# Altium PCB 01156.PcbDoc (part 1 of 3) (continued)
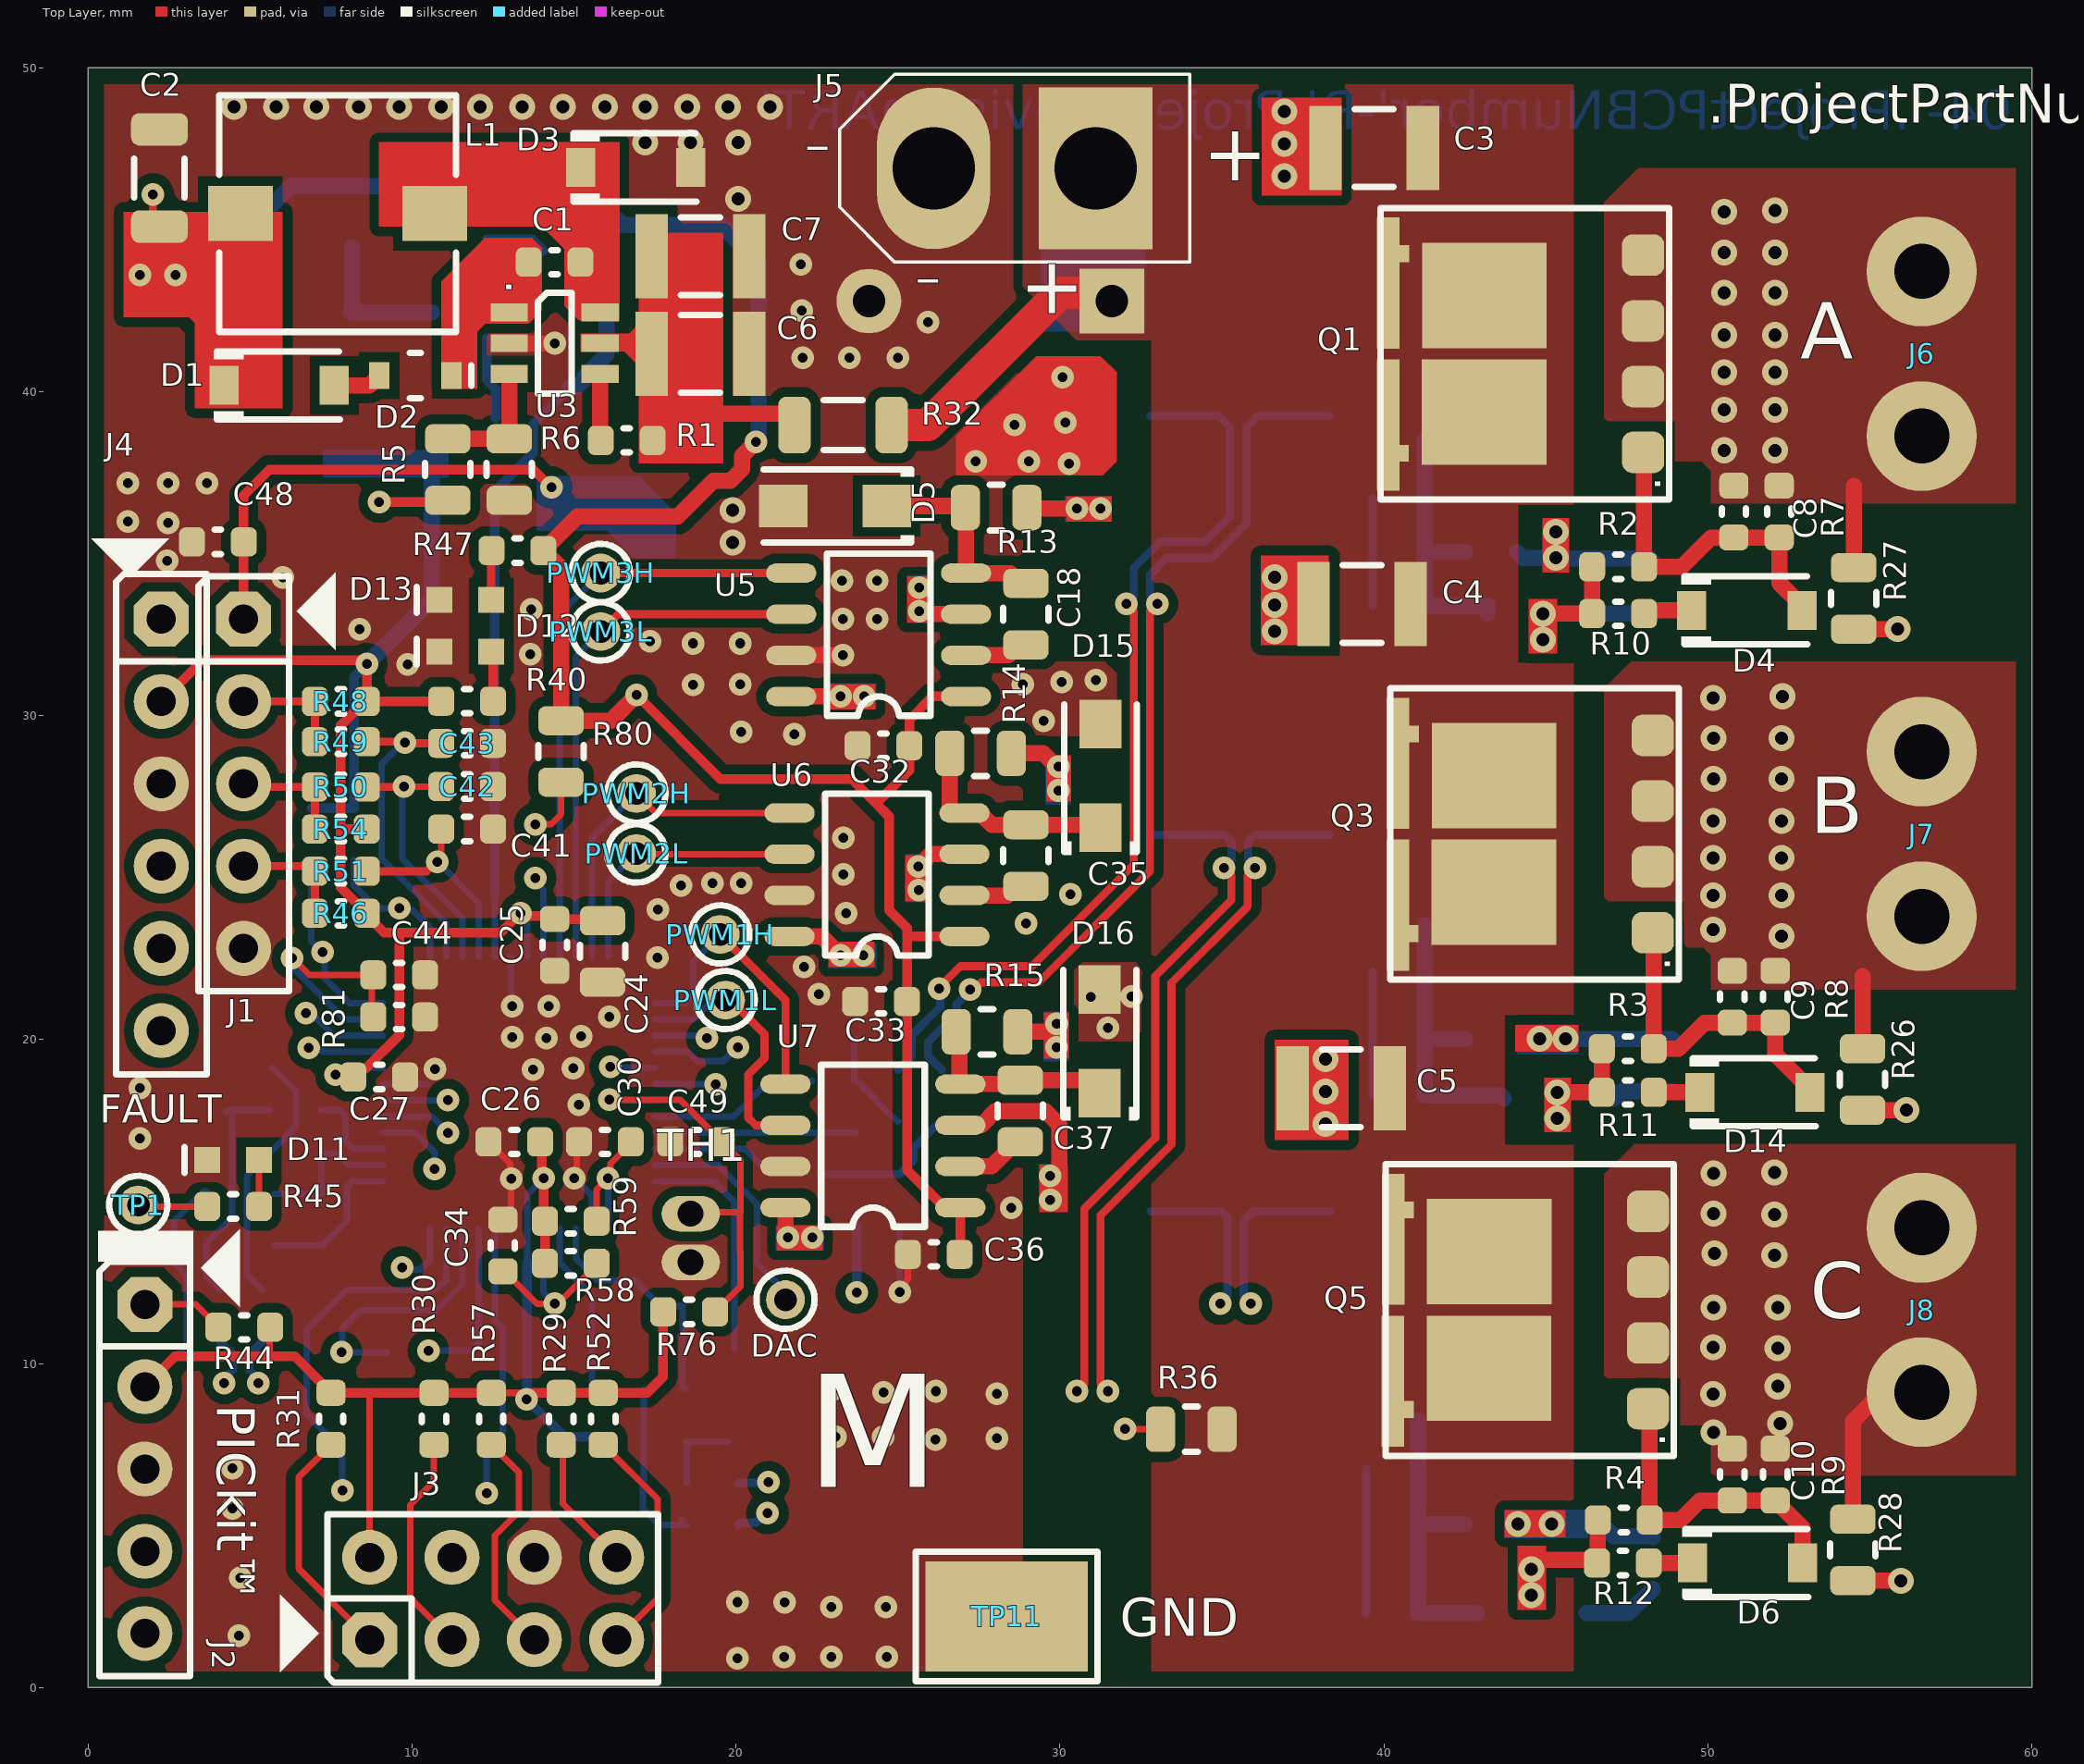
[diagram p0: Top Layer view]
## Part data (continued)
C12 C46: library part CAP1268, "Capacitor", Manufacturer 1="TDK Corporation", Manufacturer Part Number 1=C2012X7R1A475M125AC, Operating Temperature="-55C to +125C", Package=0805, Supplier Part Number 1=445-1605-1-ND, Temperature Coeffcient=X7R, Tolerance=20%, Voltage=10V, Category=Capacitor, ComponentLink1Description="SVN Datasheet", ComponentLink1URL=https://chn-vm-apps.microchip.com/mchprepo/parts/Datasheets/mlcc_commercial_general_en.pdf, ComponentLink2Description="Local Datasheet", ComponentLink2URL=C:\ALTIUM_WORK\00001_MCHP-CDB\Datasheets\mlcc_commercial_general_en.pdf, ComponentLink3Description="Open Symbol", ComponentLink3URL="C:\ALTIUM_WORK\00001_MCHP-CDB\Library\LibraryRefs\Capacitor NP.SchLib", ComponentLink4Description="Open Footprint", ComponentLink4URL=C:\ALTIUM_WORK\00001_MCHP-CDB\Library\Footprints\CAP_C_0805.PcbLib, ComponentLink5Description="Open Footprint 2", ComponentLink6Description="Open Footprint 3", ComponentLink7Description="Open Footprint 4", Description_="CAP CER 4.7uF 10V 20% X7R SMD 0805", Dev Tools Status=Production, MCHP-ID=CAP1268, Owner="Mark Loper", Populated=YES, Quantity Override=1, Revision=1, Status="MCL Design", Supplier 1=Digi-Key, Symbol="Capacitor NP", Type=Ceramic
C16 C17 C20 C22 C23 C29 C31 C38 C40: library part CAP0031, "Capacitor", Manufacturer 1="Wurth Electronics Inc", Manufacturer 2=Cal-Chip, Manufacturer 3=AVX, Manufacturer 4=KEMET, Manufacturer 5="Murata Electronics North America", Manufacturer 6=Panasonic, Manufacturer 8="NIC Components", Manufacturer Part Number 1=885012206083, Manufacturer Part Number 2=GMC10X7R102K50NTL_F, Manufacturer Part Number 3=06035C102KAT2A, Manufacturer Part Number 4=C0603C102K5RACTU, Manufacturer Part Number 5=GCM188R71H102KA37J, Manufacturer Part Number 6=ECU-V1H102KBV, Manufacturer Part Number 7=ECJ-1VB1H102K, Manufacturer Part Number 8=NMC0603X7R102K50TRPF, Operating Temperature="-55C to +125C", Package=0603, Supplier Part Number 1=732-8001-1-ND, Temperature Coeffcient=X7R, Tolerance=10%, Voltage=50V, Category=Capacitor, ComponentLink1Description="SVN Datasheet", ComponentLink1URL=https://chn-vm-apps.microchip.com/mchprepo/parts/Datasheets/KEM_C1002_X7R_SMD.pdf, ComponentLink2Description="Local Datasheet", ComponentLink2URL=C:\ALTIUM_WORK\00001_MCHP-CDB\Datasheets\KEM_C1002_X7R_SMD.pdf, ComponentLink3Description="Open Symbol", ComponentLink3URL="C:\ALTIUM_WORK\00001_MCHP-CDB\Library\LibraryRefs\Capacitor NP.SchLib", ComponentLink4Description="Open Footprint", ComponentLink4URL=C:\ALTIUM_WORK\00001_MCHP-CDB\Library\Footprints\CAP_C_0603.PcbLib, ComponentLink5Description="Open Footprint 2", ComponentLink6Description="Open Footprint 3", ComponentLink7Description="Open Footprint 4", Description_="CAP CER 1000pF 50V 10% X7R SMD 0603", Dev Tools Status=Production, Manufacturer 7=Panasonic, MCHP-ID=CAP0031, Populated=Yes, Quantity Override=1, Revision=2, Status="MCL Design", Supplier 1=Digi-Key, Supplier 2=Cal-Chip, Supplier 3=Digi-Key, Supplier 4=Digi-Key, Supplier 5=Digi-Key, Supplier 6=Digi-Key, Supplier 7=Digi-Key, Supplier 8="NIC Components", Supplier Part Number 2=GMC10X7R102K50NTL_F, Supplier Part Number 3=478-1215-1-ND, Supplier Part Number 4=399-1082-1-ND, Supplier Part Number 5=490-8019-1-ND, Supplier Part Number 6=PCC102BVTR-ND, Supplier Part Number 7=PCC1772TR-ND, Supplier Part Number 8=NMC0603X7R102K50TRPF, Symbol="Capacitor NP", Type=Ceramic
C18 C35 C37: library part CAP0135, Manufacturer 1=Panasonic, Manufacturer 2=TDK, Manufacturer Part Number 1=ECJ-2YB1E224K, Manufacturer Part Number 2=C2012X7R1E224K, Operating Temperature="-55C to +125C", Package=0805, Supplier Part Number 1=PCC1832CT-ND, Temperature Coeffcient=X7R, Tolerance=10%, Voltage=25V, Category=Capacitor, ComponentLink1Description="SVN Datasheet", ComponentLink1URL=https://chn-vm-apps.microchip.com/mchprepo/parts/Datasheets/general_B11.pdf, ComponentLink2Description="Local Datasheet", ComponentLink2URL=C:\ALTIUM_WORK\00001_MCHP-CDB\Datasheets\general_B11.pdf, ComponentLink3Description="Open Symbol", ComponentLink3URL="C:\ALTIUM_WORK\00001_MCHP-CDB\Library\LibraryRefs\Capacitor NP.SchLib", ComponentLink4Description="Open Footprint", ComponentLink4URL=C:\ALTIUM_WORK\00001_MCHP-CDB\Library\Footprints\CAP_C_0805.PcbLib, ComponentLink5Description="Open Footprint 2", ComponentLink6Description="Open Footprint 3", ComponentLink7Description="Open Footprint 4", Description_="CAP CER 0.22uF 25V 10% X7R SMD 0805", Dev Tools Status=Production, MCHP-ID=CAP0135, Populated=Yes, Quantity Override=1, Revision=1, Status="MCL Design", Supplier 1=Digi-Key, Supplier 2=Digi-Key, Supplier Part Number 2=445-1352-1-ND, Symbol="Capacitor NP", Type=Ceramic
C21 C28 C39: library part CAP0074, "Capacitor", Manufacturer 1=Cal-Chip, Manufacturer 2=Panasonic, Manufacturer 4=Yageo, Manufacturer 6="NIC Components", Manufacturer Part Number 1=GMC10CG220J50NTLF, Manufacturer Part Number 2=ECU-V1H220JCV, Manufacturer Part Number 3=ECJ-1VC1H220J, Manufacturer Part Number 4=CC0603JRNP09BN220, Manufacturer Part Number 5=0603CG220J9B200, Manufacturer Part Number 6=NMC0603NPO220J50TRPF, Operating Temperature="-55C to +125C", Package=0603, Temperature Coeffcient=NP0, Tolerance=5%, Voltage=50V, Category=Capacitor, ComponentLink1Description="SVN Datasheet", ComponentLink1URL=https://chn-vm-apps.microchip.com/mchprepo/parts/Datasheets/ECJ__General_.pdf, ComponentLink2Description="Local Datasheet", ComponentLink2URL=C:\ALTIUM_WORK\00001_MCHP-CDB\Datasheets\ECJ__General_.pdf, ComponentLink3Description="Open Symbol", ComponentLink3URL="C:\ALTIUM_WORK\00001_MCHP-CDB\Library\LibraryRefs\Capacitor NP.SchLib", ComponentLink4Description="Open Footprint", ComponentLink4URL=C:\ALTIUM_WORK\00001_MCHP-CDB\Library\Footprints\CAP_C_0603.PcbLib, ComponentLink5Description="Open Footprint 2", ComponentLink6Description="Open Footprint 3", ComponentLink7Description="Open Footprint 4", Description_="CAP CER 22pF 50V 5% NP0 SMD 0603", Dev Tools Status=Production, Manufacturer 3=Panasonic, Manufacturer 5=Yageo, MCHP-ID=CAP0074, Populated=Yes, Quantity Override=1, Revision=1, Status="MCL Design", Supplier 1=Cal-Chip, Supplier 2=Digi-Key, Supplier 3=Digi-Key, Supplier 4="NIC Components", Supplier Part Number 1=GMC10CG220J50NTLF, Supplier Part Number 2=PCC220ACVTR-ND, Supplier Part Number 3=311-1062-1-ND, Supplier Part Number 4=NMC0603NPO220J50TRPF, Symbol="Capacitor NP", Type=Ceramic
C41 C42 C43: library part CAP1116, Manufacturer 1=KEMET, Manufacturer Part Number 1=C0603C472K5RACTU, Operating Temperature="-55C to +125C", Package=0603, Supplier Part Number 1=399-1087-1-ND, Temperature Coeffcient=X7R, Tolerance=10%, Voltage=50V, Category=Capacitor, ComponentLink1Description="SVN Datasheet", ComponentLink1URL=https://chn-vm-apps.microchip.com/mchprepo/parts/Datasheets/KEM_C1002_X7R_SMD.pdf, ComponentLink2Description="Local Datasheet", ComponentLink2URL=C:\ALTIUM_WORK\00001_MCHP-CDB\Datasheets\KEM_C1002_X7R_SMD.pdf, ComponentLink3Description="Open Symbol", ComponentLink3URL="C:\ALTIUM_WORK\00001_MCHP-CDB\Library\LibraryRefs\Capacitor NP.SchLib", ComponentLink4Description="Open Footprint", ComponentLink4URL=C:\ALTIUM_WORK\00001_MCHP-CDB\Library\Footprints\CAP_C_0603.PcbLib, ComponentLink5Description="Open Footprint 2", ComponentLink6Description="Open Footprint 3", ComponentLink7Description="Open Footprint 4", Description_="CAP CER 4700pF 50V 10% X7R SMD 0603", Dev Tools Status=Production, MCHP-ID=CAP1116, Owner="Miahi T(M91442)", Populated=YES, Quantity Override=1, Revision=0, Status="MCL Design", Supplier 1=Digi-Key, Supplier 2=Farnell, Supplier Part Number 2=1414642, Symbol="Capacitor NP", Type=Ceramic
D1: library part DIODE1401, Manufacturer 1="ON Semiconductor", Manufacturer Part Number 1=MMSZ7V5T1G, Operating Temperature="-55°C ~ 150°C", Package=SOD-123, Power=500mW, Reverse Current=1µA@5V, Supplier Part Number 1=MMSZ7V5T1GOSCT-ND, Category=Diode, ComponentLink1Description="SVN Datasheet", ComponentLink1URL=https://chn-vm-apps.microchip.com/mchprepo/parts/Datasheets/MMSZ2V4T1-D.PDF, ComponentLink2Description="Local Datasheet", ComponentLink2URL=C:\ALTIUM_WORK\00001_MCHP-CDB\Datasheets\MMSZ2V4T1-D.PDF, ComponentLink3Description="Open Symbol", ComponentLink3URL="C:\ALTIUM_WORK\00001_MCHP-CDB\Library\LibraryRefs\Diode Zener.SchLib", ComponentLink4Description="Open Footprint", ComponentLink4URL=C:\ALTIUM_WORK\00001_MCHP-CDB\Library\Footprints\SOD-123.PcbLib, ComponentLink5Description="Open Footprint 2", ComponentLink6Description="Open Footprint 3", ComponentLink7Description="Open Footprint 4", Description_="DIO ZNR MMSZ7V5T1G 7.5V 500mW SMD SOD-123", Dev Tools Status=Production, MCHP-ID=DIODE1401, Owner="Cristian Papuc", Populated=YES, Quantity Override=1, Revision=1, Status="MCL Design", Supplier 1=Digi-Key, Symbol="Diode Zener", Type="Zener Single"
D2: library part DIODE0165, Forward Current=150mA, Manufacturer 1=Fairchild, Manufacturer Part Number 1=1N4148WS, Operating Temperature="-55C to +150C", Package=SOD-323, Power=200mW, Reverse Current=5uA, Reverse Voltage=100V, Supplier Part Number 1=1N4148WSFSCT-ND, Category=Diode, ComponentLink1Description="SVN Datasheet", ComponentLink1URL=https://chn-vm-apps.microchip.com/mchprepo/parts/Datasheets/1N4148WS.pdf, ComponentLink2Description="Local Datasheet", ComponentLink2URL=C:\ALTIUM_WORK\00001_MCHP-CDB\Datasheets\1N4148WS.pdf, ComponentLink3Description="Open Symbol", ComponentLink3URL="C:\ALTIUM_WORK\00001_MCHP-CDB\Library\LibraryRefs\Diode Single.SchLib", ComponentLink4Description="Open Footprint", ComponentLink4URL=C:\ALTIUM_WORK\00001_MCHP-CDB\Library\Footprints\SOD-323.PcbLib, ComponentLink5Description="Open Footprint 2", ComponentLink6Description="Open Footprint 3", ComponentLink7Description="Open Footprint 4", Description_="DIO RECT 1N4148 1V 150mA 100V SOD-323", Dev Tools Status=Production, MCHP-ID=DIODE0165, Populated=Yes, Quantity Override=1, Revision=1, Status="MCL Design", Supplier 1=Digi-Key, Symbol="Diode Single", Type="Rectifier Single"
D3: library part DIODE0160, Forward Current=200mA, Manufacturer 1=STMicroelectronics, Manufacturer Part Number 1=BAT41ZFILM, Operating Temperature="-65C to +150C", Package=SOD-123, Reverse Current=100nA, Reverse Voltage=100V, Supplier Part Number 1=497-5558-1-ND, Category=Diode, ComponentLink1Description="SVN Datasheet", ComponentLink1URL=https://chn-vm-apps.microchip.com/mchprepo/parts/Datasheets/CD00130227.pdf, ComponentLink2Description="Local Datasheet", ComponentLink2URL=C:\ALTIUM_WORK\00001_MCHP-CDB\Datasheets\CD00130227.pdf, ComponentLink3Description="Open Symbol", ComponentLink3URL="C:\ALTIUM_WORK\00001_MCHP-CDB\Library\LibraryRefs\Diode Schottky.SchLib", ComponentLink4Description="Open Footprint", ComponentLink4URL=C:\ALTIUM_WORK\00001_MCHP-CDB\Library\Footprints\SOD-123.PcbLib, ComponentLink5Description="Open Footprint 2", ComponentLink6Description="Open Footprint 3", ComponentLink7Description="Open Footprint 4", Description_="DIO SCTKY BAT41 1V 200mA 100V SOD-123", Dev Tools Status=Production, MCHP-ID=DIODE0160, Populated=Yes, Quantity Override=1, Revision=1, Status="MCL Design", Supplier 1=Digi-Key, Symbol="Diode Schottky", Type="Schottky Single"
D4 D6 D7 D8 D9 D14: library part DIODE1233, "DIO SCTKY RB160M-60TR 550mV 1A 60V SMD SOD-123F", Forward Current=1A, Manufacturer 1="Diodes Incorporated", Manufacturer Part Number 1=1N5819HW-7-F, Operating Temperature="-65C to +125C", Package=SOD-123, Power=450mW, Reverse Current=1mA, Reverse Voltage=40V, Supplier Part Number 1=1N5819HW-FDICT-ND, Category=Diode, ComponentLink1Description="SVN Datasheet", ComponentLink1URL=https://chn-vm-apps.microchip.com/mchprepo/parts/Datasheets/ds30217.pdf, ComponentLink2Description="Local Datasheet", ComponentLink2URL=C:\ALTIUM_WORK\00001_MCHP-CDB\Datasheets\ds30217.pdf, ComponentLink3Description="Open Symbol", ComponentLink3URL="C:\ALTIUM_WORK\00001_MCHP-CDB\Library\LibraryRefs\Diode Schottky.SchLib", ComponentLink4Description="Open Footprint", ComponentLink4URL=C:\ALTIUM_WORK\00001_MCHP-CDB\Library\Footprints\SOD-123.PcbLib, ComponentLink5Description="Open Footprint 2", ComponentLink6Description="Open Footprint 3", ComponentLink7Description="Open Footprint 4", Description_="DIODE SCTKY 1N5819HW-7-F 450mV 1A 40V SMD SOD-123", Dev Tools Status=Design, MCHP-ID=DIODE1233, Owner="Sorin Stanoaia", Populated=YES, Quantity Override=1, Reverse Recovery Time=500ns, Revision=A, Status="MCL Design", Supplier 1=Digi-Key, Symbol="Diode Schottky", Type="Schottky Single"
D5 D15 D16: library part DIODE1296, "DIO SCTKY RB160M-60TR 550mV 1A 60V SMD SOD-123F", Forward Current=1A, Manufacturer 1="Micro Commercial Co", Manufacturer Part Number 1=SL110PL-TP, Operating Temperature="-55C to +150C", Package=SOD-123FL, Reverse Voltage=100V, Supplier Part Number 1=SL110PL-TPMSCT-ND, Category=Diode, ComponentLink1Description="SVN Datasheet", ComponentLink1URL=https://chn-vm-apps.microchip.com/mchprepo/parts/Datasheets/SL14PL-SL110PL(SOD-123FL)-A.pdf, ComponentLink2Description="Local Datasheet", ComponentLink2URL=C:\ALTIUM_WORK\00001_MCHP-CDB\Datasheets\SL14PL-SL110PL(SOD-123FL)-A.pdf, ComponentLink3Description="Open Symbol", ComponentLink3URL="C:\ALTIUM_WORK\00001_MCHP-CDB\Library\LibraryRefs\Diode Schottky.SchLib", ComponentLink4Description="Open Footprint", ComponentLink4URL=C:\ALTIUM_WORK\00001_MCHP-CDB\Library\Footprints\SOD-123FL.PcbLib, ComponentLink5Description="Open Footprint 2", ComponentLink6Description="Open Footprint 3", ComponentLink7Description="Open Footprint 4", Description_="DIO SCTKY  SL110PL-TP 600mV 1A 100V SOD-123FL", Dev Tools Status=Design, MCHP-ID=DIODE1296, Owner="Tad Ahlvers", Populated=YES, Quantity Override=1, Reverse Recovery Time=500ns, Revision=A, Status="MCL Design", Supplier 1=Digi-Key, Symbol="Diode Schottky", Type="Schottky Single"
D11: library part DIODE1058, "LED", Forward Current=30mA, Manufacturer 1=Lite-On, Manufacturer 2=ZhiDing, Manufacturer Part Number 1=LTST-C190EKT, Manufacturer Part Number 2=AL-S0603SRC-50-08-2, Operating Temperature="-55C to +85C", Package=0603, Power=100mW, Reverse Current=100uA, Reverse Voltage=5V, Supplier Part Number 1=160-1182-1-ND, Category=Diode, ComponentLink1Description="SVN Datasheet", ComponentLink1URL=https://chn-vm-apps.microchip.com/mchprepo/parts/Datasheets/LTST-C190EKT.pdf, ComponentLink2Description="Local Datasheet", ComponentLink2URL=C:\ALTIUM_WORK\00001_MCHP-CDB\Datasheets\LTST-C190EKT.pdf, ComponentLink3Description="Open Symbol", ComponentLink3URL=C:\ALTIUM_WORK\00001_MCHP-CDB\Library\LibraryRefs\LED_red.SchLib, ComponentLink4Description="Open Footprint", ComponentLink4URL=C:\ALTIUM_WORK\00001_MCHP-CDB\Library\Footprints\LED_0603_RED.PcbLib, ComponentLink5Description="Open Footprint 2", ComponentLink6Description="Open Footprint 3", ComponentLink7Description="Open Footprint 4", Description_="DIO LED RED 2V 30mA 2mcd Clear SMD 0603", Dev Tools Status=Production, MCHP-ID=DIODE1058, Owner="Tad Ahlvers", Populated=YES, Quantity Override=1, Revision=2, Status="MCL Design", Supplier 1=Digi-Key, Supplier 2=Raynen, Supplier Part Number 2=AL-S0603SRC-50-08-2, Symbol=LED_red, Type="LED Single"
D12 D13: library part DIODE1155, "LED", Forward Current=30mA, Manufacturer 1="Lite-On Inc", Manufacturer 2=Ledtech, Manufacturer Part Number 1=LTST-C191KGKT, Manufacturer Part Number 2=LT8A23-54-SB96-T5, Operating Temperature="-55C to +85C", Power=75mW, Reverse Voltage=5V, Supplier Part Number 1=160-1446-1-ND, Category=Diode, ComponentLink1Description="SVN Datasheet", ComponentLink1URL=https://chn-vm-apps.microchip.com/mchprepo/parts/Datasheets/S_110_LTST-C191KGKT.pdf, ComponentLink2Description="Local Datasheet", ComponentLink2URL=C:\ALTIUM_WORK\00001_MCHP-CDB\Datasheets\S_110_LTST-C191KGKT.pdf, ComponentLink3Description="Open Symbol", ComponentLink3URL=C:\ALTIUM_WORK\00001_MCHP-CDB\Library\LibraryRefs\LED_green.SchLib, ComponentLink4Description="Open Footprint", ComponentLink4URL=C:\ALTIUM_WORK\00001_MCHP-CDB\Library\Footprints\LED_0603_GREEN.PcbLib, ComponentLink5Description="Open Footprint 2", ComponentLink6Description="Open Footprint 3", ComponentLink7Description="Open Footprint 4", Description_="DIO LED GREEN 2V 30mA 35mcd Clear SMD 0603", Dev Tools Status=Production, MCHP-ID=DIODE1155, Owner="Tad Ahlvers", Populated=YES, Quantity Override=1, Revision=1, Status="MCL Design", Supplier 1=Digi-Key, Supplier 2=Raynen, Supplier Part Number 2=LEDD00036B01, Symbol=LED_green, Type="LED Single"
DAC PWM1H PWM1L PWM2H PWM2L PWM3H PWM3L TP1: library part CON1128, "Test Point", Category=Connector, ComponentLink1Description="SVN Datasheet", ComponentLink2Description="Local Datasheet", ComponentLink3Description="Open Symbol", ComponentLink3URL="C:\ALTIUM_WORK\00001_MCHP-CDB\Library\LibraryRefs\Test Point No BOM.SchLib", ComponentLink4Description="Open Footprint", ComponentLink4URL=C:\ALTIUM_WORK\00001_MCHP-CDB\Library\Footprints\TP_1.2x0.7.PcbLib, ComponentLink5Description="Open Footprint 2", ComponentLink6Description="Open Footprint 3", ComponentLink7Description="Open Footprint 4", Description_="CON TP PAD PCB 1.2x0.7 TH", Dev Tools Status=Production, MCHP-ID=CON1128, Owner="Bogdan P (M91398)", Populated=Yes, Quantity Override=1, Revision=0, Status="MCL Design", Symbol="Test Point No BOM", Type="Test Point"
J1 J2: library part CON0416, Manufacturer 1=FCI, Manufacturer 2=Samtec, Manufacturer 3=Nextron, Manufacturer Part Number 1=68000-105HLF, Manufacturer Part Number 2=TSW-105-07-S-S, Manufacturer Part Number 3=211-051A7-0021-400, Supplier Part Number 1=609-3462-ND, Category=Connector, ComponentLink1Description="SVN Datasheet", ComponentLink1URL=https://chn-vm-apps.microchip.com/mchprepo/parts/Datasheets/TSW-XXX-XX-XXX-X-XX-XXX-MKT.pdf, ComponentLink2Description="Local Datasheet", ComponentLink2URL=C:\ALTIUM_WORK\00001_MCHP-CDB\Datasheets\TSW-XXX-XX-XXX-X-XX-XXX-MKT.pdf, ComponentLink3Description="Open Symbol", ComponentLink3URL="C:\ALTIUM_WORK\00001_MCHP-CDB\Library\LibraryRefs\Header 1x5.SchLib", ComponentLink4Description="Open Footprint", ComponentLink4URL=C:\ALTIUM_WORK\00001_MCHP-CDB\Library\Footprints\HDR_M_2.54_1x5.PcbLib, ComponentLink5Description="Open Footprint 2", ComponentLink6Description="Open Footprint 3", ComponentLink7Description="Open Footprint 4", Description_="CON HDR-2.54 Male 1x5 Gold 5.84MH TH VERT", Dev Tools Status=Production, MCHP-ID=CON0416, Populated=Yes, Quantity Override=1, Revision=1, Status="MCL Design", Supplier 1=Digi-Key, Supplier 2=Digi-Key, Supplier 3=Raynen, Supplier Part Number 2=SAM1033-05-ND, Supplier Part Number 3=CONN00303A01M, Symbol="Header 1x5", Type="Header 2.54mm"
J3: library part CON0118, Manufacturer 1="Wurth Electronics Inc", Manufacturer 2=Sullins, Manufacturer 3=Samtec, Manufacturer 5="SHENZHEN JUNHAO ENGINEERING", Manufacturer Part Number 1=61300821121, Manufacturer Part Number 2=PBC04DAAN, Manufacturer Part Number 3=TSW-104-07-G-D, Manufacturer Part Number 4=TSW-104-07-S-D, Manufacturer Part Number 5=R-213-0811-0021-400, Supplier Part Number 1=732-5296-ND, Category=Connector, ComponentLink1Description="SVN Datasheet", ComponentLink1URL=https://chn-vm-apps.microchip.com/mchprepo/parts/Datasheets/TSW-XXX-XX-XXX-X-XX-XXX-MKT.pdf, ComponentLink2Description="Local Datasheet", ComponentLink2URL=C:\ALTIUM_WORK\00001_MCHP-CDB\Datasheets\TSW-XXX-XX-XXX-X-XX-XXX-MKT.pdf, ComponentLink3Description="Open Symbol", ComponentLink3URL="C:\ALTIUM_WORK\00001_MCHP-CDB\Library\LibraryRefs\Header 2x4.SchLib", ComponentLink4Description="Open Footprint", ComponentLink4URL=C:\ALTIUM_WORK\00001_MCHP-CDB\Library\Footprints\HDR_M_2.54_2x4.PcbLib, ComponentLink5Description="Open Footprint 2", ComponentLink6Description="Open Footprint 3", ComponentLink7Description="Open Footprint 4", Description_="CON HDR-2.54 Male 2x4 Gold 5.84MH  TH VERT", Dev Tools Status=Production, Manufacturer 4=Samtec, MCHP-ID=CON0118, Owner="Randolph Sobrepena", Populated=Yes, Quantity Override=1, Revision=2, Status="MCL Design", Supplier 1=Digi-Key, Supplier 2=Digi-Key, Supplier 3=Samtec, Supplier 4=Samtec, Supplier 5=Raynen, Supplier Part Number 2=S2011E-04-ND, Supplier Part Number 3=TSW-104-07-G-D, Supplier Part Number 4=TSW-104-07-S-D, Supplier Part Number 5=CONN00267B01, Symbol="Header 2x4", Type="Header 2.54mm"
J4: library part CON2100, Current=3A, Manufacturer 1="WURTH ELEKTRONIK", Manufacturer Part Number 1=61300611121, Supplier Part Number 1=732-5319-ND, Category=Connector, ComponentLink1Description="SVN Datasheet", ComponentLink1URL=https://chn-vm-apps.microchip.com/mchprepo/parts/Datasheets/6130xx11121.pdf, ComponentLink2Description="Local Datasheet", ComponentLink2URL=C:\ALTIUM_WORK\00001_MCHP-CDB\Datasheets\6130xx11121.pdf, ComponentLink3Description="Open Symbol", ComponentLink3URL="C:\ALTIUM_WORK\00001_MCHP-CDB\Library\LibraryRefs\Header 1x6.SchLib", ComponentLink4Description="Open Footprint", ComponentLink4URL=C:\ALTIUM_WORK\00001_MCHP-CDB\Library\Footprints\HDR_M_2.54_1x6.PcbLib, ComponentLink5Description="Open Footprint 2", ComponentLink6Description="Open Footprint 3", ComponentLink7Description="Open Footprint 4", Description_="CON HDR-2.54 Male 1x6 Tin 5.84MH TH VERT", Dev Tools Status=Production, MCHP-ID=CON2100, Owner="Octavian Stroe", Populated=YES, Quantity Override=1, Revision=1, Status="MCL Design", Supplier 1=Digi-Key, Symbol="Header 1x6", Type="Header 2.54mm"
J5: library part CON2207, Current=15A, Manufacturer 1=AMASS, Manufacturer Part Number 1=XT30U-M, Voltage=500V, Category=Connector, ComponentLink1Description="SVN Datasheet", ComponentLink1URL="https://chn-vm-apps.microchip.com/mchprepo/parts/Datasheets/XT30U SPEC.pdf", ComponentLink2Description="Local Datasheet", ComponentLink2URL="C:\ALTIUM_WORK\00001_MCHP-CDB\Datasheets\XT30U SPEC.pdf", ComponentLink3Description="Open Symbol", ComponentLink3URL="C:\ALTIUM_WORK\00001_MCHP-CDB\Library\LibraryRefs\CON 1x2 POLARIZED.SchLib", ComponentLink4Description="Open Footprint", ComponentLink4URL="C:\ALTIUM_WORK\00001_MCHP-CDB\Library\Footprints\CON TERMINAL XT30U-M 5mm 1x2 Male 30A TH V.PcbLib", ComponentLink5Description="Open Footprint 2", ComponentLink6Description="Open Footprint 3", ComponentLink7Description="Open Footprint 4", Description_="CON POWER XT30U-M 5mm 1x2 Male 15A TH V", Dev Tools Status=Design, MCHP-ID=CON2207, Owner="Octavian Stroe", Populated=YES, Quantity Override=1, Revision=1, Status="MCL Design", Supplier 1=TME, Supplier Part Number 1=XT30U-M, Symbol="CON 1x2 POLARIZED", Type=Power
J6 J7 J8: library part CON2208, "CON HDR-2.54 Male 1x1 Gold 5.97MH TH VERT", Manufacturer 1="TE Connectivity AMP Connectors", Manufacturer Part Number 1=1-726386-2, Supplier Part Number 1=A122560-ND, Category=Connector, ComponentLink1Description="SVN Datasheet", ComponentLink1URL=https://chn-vm-apps.microchip.com/mchprepo/parts/Datasheets/ENG_CD_726386_G1.pdf, ComponentLink2Description="Local Datasheet", ComponentLink2URL=C:\ALTIUM_WORK\00001_MCHP-CDB\Datasheets\ENG_CD_726386_G1.pdf, ComponentLink3Description="Open Symbol", ComponentLink3URL="C:\ALTIUM_WORK\00001_MCHP-CDB\Library\LibraryRefs\Header 1x1.SchLib", ComponentLink4Description="Open Footprint", ComponentLink4URL=C:\ALTIUM_WORK\00001_MCHP-CDB\Library\Footprints\CON_M_1x1_5.08_QC_TAB_SPADE_0.250_V.PcbLib, ComponentLink5Description="Open Footprint 2", ComponentLink6Description="Open Footprint 3", ComponentLink7Description="Open Footprint 4", Description_="CON CONTACT QC TAB 0.250 Male 1x1 TH VERT", Dev Tools Status=Design, MCHP-ID=CON2208, Owner="Octavian Stroe", Populated=YES, Quantity Override=1, Revision=A, Status="MCL Design", Supplier 1=Digi-Key, Symbol="Header 1x1", Type=Contact
L1: library part IND1145, Manufacturer 1="WURTH ELEKTRONIK", Manufacturer Part Number 1=7447779156, Operating Temperature="-40°C to +125°C", Package=L7.3W7.3H4.5, RMS Current=0.93A, Saturation Current=1.05A, Supplier Part Number 1=2082711, Test Frequency=1kHz, Category=Inductor, ComponentLink1Description="SVN Datasheet", ComponentLink1URL=https://chn-vm-apps.microchip.com/mchprepo/parts/Datasheets/7447779156.pdf, ComponentLink2Description="Local Datasheet", ComponentLink2URL=C:\ALTIUM_WORK\00001_MCHP-CDB\Datasheets\7447779156.pdf, ComponentLink3Description="Open Symbol", ComponentLink3URL=C:\ALTIUM_WORK\00001_MCHP-CDB\Library\LibraryRefs\Inductor.SchLib, ComponentLink4Description="Open Footprint", ComponentLink4URL=C:\ALTIUM_WORK\00001_MCHP-CDB\Library\Footprints\IND_WE_WE-PD_L7.3W7.3H4.5.PcbLib, ComponentLink5Description="Open Footprint 2", ComponentLink6Description="Open Footprint 3", ComponentLink7Description="Open Footprint 4", DCR=0.35R, Description_="INDUCTOR 56uH 0.93A 20% SMD L7.3W7.3H4.5", Dev Tools Status=Design, MCHP-ID=IND1145, Owner="Bogdan P (M91398)", Populated=YES, Quantity Override=1, Revision=A, Status="MCL Design", Supplier 1=Farnell, Symbol=Inductor, Type=Inductor
Q1 Q2 Q3 Q4 Q5 Q6: library part TRA1472, "Transistor MOS", Current=200A, Drain to Source Voltage=60V, Gate to Source Voltage=20V, Manufacturer 1="Vishay Siliconix", Manufacturer Part Number 1=SQJQ466E-T1_GE3, Operating Temperature="-55C to +175C", Package="PowerPAK SO-8L", Power=150W, Supplier Part Number 1=SQJQ466E-T1_GE3CT-ND, Category=Transistor, ComponentLink1Description="SVN Datasheet", ComponentLink1URL=https://chn-vm-apps.microchip.com/mchprepo/parts/Datasheets/sqjq466e.pdf, ComponentLink2Description="Local Datasheet", ComponentLink2URL=C:\ALTIUM_WORK\00001_MCHP-CDB\Datasheets\sqjq466e.pdf, ComponentLink3Description="Open Symbol", ComponentLink3URL="C:\ALTIUM_WORK\00001_MCHP-CDB\Library\LibraryRefs\Transistor MOS-N GSSSD.SchLib", ComponentLink4Description="Open Footprint", ComponentLink4URL=C:\ALTIUM_WORK\00001_MCHP-CDB\Library\Footprints\PPAK_SO-8L_8x8.PcbLib, ComponentLink5Description="Open Footprint 2", ComponentLink6Description="Open Footprint 3", ComponentLink7Description="Open Footprint 4", ComponentLink7URL=C:\ALTIUM_WORK\00001_MCHP-CDB\Library\Footprints\PPAK_SO-8L_8x8_ALTERNATE.PcbLib, Description_="TRANS FET N-CH SQJQ466E 60V 200A PowerPAK SO-8L AEC-Q101", Dev Tools Status=Design, MCHP-ID=TRA1472, Owner="Octavian Stroe", Populated=YES, Quantity Override=1, Revision=1, Status="MCL Design", Supplier 1=Digi-Key, Symbol="Transistor MOS-N GSSSD", Type=FET, Voltage=60V
Q7: library part TRA1191, "Transistor MOS", Current=-3.8A, Drain to Source Voltage=-30V, Gate to Source Voltage=20V, Manufacturer 1="Diodes Incorporated", Manufacturer Part Number 1=DMP3099L-7, Operating Temperature="-55C to +150C", Package=SOT-23-3, Power=1.08W, Supplier Part Number 1=DMP3099L-7DICT-ND, Category=Transistor, ComponentLink1Description="SVN Datasheet", ComponentLink1URL=https://chn-vm-apps.microchip.com/mchprepo/parts/Datasheets/DMP3099L.pdf, ComponentLink2Description="Local Datasheet", ComponentLink2URL=C:\ALTIUM_WORK\00001_MCHP-CDB\Datasheets\DMP3099L.pdf, ComponentLink3Description="Open Symbol", ComponentLink3URL="C:\ALTIUM_WORK\00001_MCHP-CDB\Library\LibraryRefs\Transistor MOS-P GSD.SchLib", ComponentLink4Description="Open Footprint", ComponentLink4URL=C:\ALTIUM_WORK\00001_MCHP-CDB\Library\Footprints\SOT-23-3.PcbLib, ComponentLink5Description="Open Footprint 2", ComponentLink6Description="Open Footprint 3", ComponentLink7Description="Open Footprint 4", Description_="TRANS FET P-CH DMP3099L-7 -30V -3.8A 1.08W SOT-23-3", Dev Tools Status=Production, MCHP-ID=TRA1191, Owner="Alexandru Chiser - M19201", Populated=YES, Quantity Override=1, Revision=1, Status="MCL Design", Supplier 1=Digi-Key, Symbol="Transistor MOS-P GSD", Type=FET
Q8: library part MIC7247, "Transistor MOS", Manufacturer 1="Microchip Technology", Manufacturer Part Number 1=2N7002-G, Supplier Part Number 1=2N7002-GMCCT-ND, Category=MCHP-Analog, ComponentLink1Description="SVN Datasheet", ComponentLink2Description="Local Datasheet", ComponentLink2URL=C:\ALTIUM_WORK\00001_MCHP-CDB\Datasheets\2N7002.pdf, ComponentLink3Description="Open Symbol", ComponentLink3URL="C:\ALTIUM_WORK\00001_MCHP-CDB\Library\LibraryRefs\Transistor MOS-N GSD.SchLib", ComponentLink4Description="Open Footprint", ComponentLink4URL=C:\ALTIUM_WORK\00001_MCHP-CDB\Library\Footprints\SOT-23-3.PcbLib, ComponentLink5Description="Open Footprint 2", ComponentLink6Description="Open Footprint 3", ComponentLink7Description="Open Footprint 4", Description_="MCHP ANALOG MOSFET N-CH 2N7002-G 60V 115mA SOT-23-3", Dev Tools Status=Production, MCHP-ID=MIC7247, Owner="Mark Loper", Populated=YES, Quantity Override=1, Revision=1, Status="MCL Design", Supplier 1=Digi-Key, Symbol="Transistor MOS-N GSD", Type=MOSFET
R1: library part RES1066, Manufacturer 1=Vishay, Manufacturer Part Number 1=MCT06030C1003FP500, Operating Temperature="-55C to +155C", Package=0603, Power=1/8W, Supplier Part Number 1=MCT0603-100K-CFTR-ND, Temperature Coeffcient=50ppm/C, Tolerance=1%, Voltage=75V, Category=Resistor, ComponentLink1Description="SVN Datasheet", ComponentLink1URL=https://chn-vm-apps.microchip.com/mchprepo/parts/Datasheets/mc_pro.pdf, ComponentLink2Description="Local Datasheet", ComponentLink2URL=C:\ALTIUM_WORK\00001_MCHP-CDB\Datasheets\mc_pro.pdf, ComponentLink3Description="Open Symbol", ComponentLink3URL=C:\ALTIUM_WORK\00001_MCHP-CDB\Library\LibraryRefs\Resistor.SchLib, ComponentLink4Description="Open Footprint", ComponentLink4URL=C:\ALTIUM_WORK\00001_MCHP-CDB\Library\Footprints\RES_C_0603.PcbLib, ComponentLink5Description="Open Footprint 2", ComponentLink6Description="Open Footprint 3", ComponentLink7Description="Open Footprint 4", Composition=TF, Description_="RES TF 100k 1% 1/8W SMD 0603", Dev Tools Status=Production, MCHP-ID=RES1066, Owner="Tad Ahlvers", Populated=Yes, Quantity Override=1, Revision=1, Status="MCL Design", Supplier 1=Digi-Key, Symbol=Resistor, Type="RES SMD"
R2 R3 R4 R10 R11 R12 R17 R18 R19 R23 R24 R25: library part RSMT0456, Manufacturer 1=Panasonic, Manufacturer 2=Yageo, Manufacturer 3=SET, Manufacturer Part Number 1=ERJ-3EKF10R0V, Manufacturer Part Number 2=RC0603FR-0710RL, Manufacturer Part Number 3=RMCF1/1610.01%TR, Operating Temperature="-55C to +155C", Package=0603, Power=1/10W, Supplier Part Number 1=P10.0HTR-ND, Temperature Coeffcient=100ppm/C, Tolerance=1%, Voltage=75V, Category=Resistor, ComponentLink1Description="SVN Datasheet", ComponentLink1URL=https://chn-vm-apps.microchip.com/mchprepo/parts/Datasheets/AOA0000CE2.pdf, ComponentLink2Description="Local Datasheet", ComponentLink2URL=C:\ALTIUM_WORK\00001_MCHP-CDB\Datasheets\AOA0000CE2.pdf, ComponentLink3Description="Open Symbol", ComponentLink3URL=C:\ALTIUM_WORK\00001_MCHP-CDB\Library\LibraryRefs\Resistor.SchLib, ComponentLink4Description="Open Footprint", ComponentLink4URL=C:\ALTIUM_WORK\00001_MCHP-CDB\Library\Footprints\RES_C_0603.PcbLib, ComponentLink5Description="Open Footprint 2", ComponentLink6Description="Open Footprint 3", ComponentLink7Description="Open Footprint 4", Composition=TKF, Description_="RES TKF 10R 1% 1/10W SMD 0603", Dev Tools Status=Production, MCHP-ID=RSMT0456, Populated=Yes, Quantity Override=1, Revision=2, Status="MCL Design", Supplier 1=Digi-Key, Supplier 2=Digi-Key, Supplier 3=SET, Supplier Part Number 2=311-10.0HRCT-ND, Supplier Part Number 3=RMCF1/1610.01%TR, Symbol=Resistor, Type="RES SMD"
R5: library part RSMT1109, Manufacturer 1="Vishay Dale", Manufacturer Part Number 1=CRCW0805140KFKEA, Operating Temperature="-55C to +155C", Package=0805, Power=1/8W, Supplier Part Number 1=541-140KCCT-ND, Temperature Coeffcient=100ppm/C, Tolerance=1%, Voltage=150V, Category=Resistor, ComponentLink1Description="SVN Datasheet", ComponentLink1URL=https://chn-vm-apps.microchip.com/mchprepo/parts/Datasheets/dcrcwe3.pdf, ComponentLink2Description="Local Datasheet", ComponentLink2URL=C:\ALTIUM_WORK\00001_MCHP-CDB\Datasheets\dcrcwe3.pdf, ComponentLink3Description="Open Symbol", ComponentLink3URL=C:\ALTIUM_WORK\00001_MCHP-CDB\Library\LibraryRefs\Resistor.SchLib, ComponentLink4Description="Open Footprint", ComponentLink4URL=C:\ALTIUM_WORK\00001_MCHP-CDB\Library\Footprints\RES_C_0805.PcbLib, ComponentLink5Description="Open Footprint 2", ComponentLink6Description="Open Footprint 3", ComponentLink7Description="Open Footprint 4", Composition=TKF, Description_="RES TKF 140k 1% 1/8W SMD 0805", Dev Tools Status=Design, MCHP-ID=RSMT1109, Owner="Bogdan Popescu", Populated=YES, Quantity Override=1, Revision=A, Status="MCL Design", Supplier 1=Digi-Key, Symbol=Resistor, Type="RES SMD"
R6: library part RSMT0156, Manufacturer 1=Panasonic, Manufacturer 2="SPC Technology", Manufacturer 3="Stackpole Electronics Inc", Manufacturer 4="Vishay Dale", Manufacturer Part Number 1=ERJ-6ENF1002V, Manufacturer Part Number 2=MC0805WAF1002T5E-TC, Manufacturer Part Number 3="RMCF 1/10-10K-1%", Manufacturer Part Number 4=CRCW080510K0FKEA, Operating Temperature="-55C to +155C", Package=0805, Power=1/8W, Supplier Part Number 1=P10.0KCTR-ND, Temperature Coeffcient=100ppm/C, Tolerance=1%, Voltage=150V, Category=Resistor, ComponentLink1Description="SVN Datasheet", ComponentLink1URL=https://chn-vm-apps.microchip.com/mchprepo/parts/Datasheets/AOA0000CE1.pdf, ComponentLink2Description="Local Datasheet", ComponentLink2URL=C:\ALTIUM_WORK\00001_MCHP-CDB\Datasheets\AOA0000CE1.pdf, ComponentLink3Description="Open Symbol", ComponentLink3URL=C:\ALTIUM_WORK\00001_MCHP-CDB\Library\LibraryRefs\Resistor.SchLib, ComponentLink4Description="Open Footprint", ComponentLink4URL=C:\ALTIUM_WORK\00001_MCHP-CDB\Library\Footprints\RES_C_0805.PcbLib, ComponentLink5Description="Open Footprint 2", ComponentLink6Description="Open Footprint 3", ComponentLink7Description="Open Footprint 4", Composition=TKF, Description_="RES TKF 10k 1% 1/8W SMD 0805", Dev Tools Status=Production, MCHP-ID=RSMT0156, Populated=Yes, Quantity Override=1, Revision=1, Status="MCL Design", Supplier 1=Digi-Key, Supplier 2=Newark, Supplier 3="Stackpole Electronics Inc", Supplier 4=Digi-Key, Supplier Part Number 2=58K4692, Supplier Part Number 3="RMCF 1/10-10K-1%", Supplier Part Number 4=541-10.0KCTR-ND, Symbol=Resistor, Type="RES SMD"
R7 R8 R9 R20 R21 R22: library part RES1183, Manufacturer 1=Panasonic, Manufacturer Part Number 1=ERJ-3EKF4702V, Operating Temperature="-55C to +155C", Package=0603, Power=1/10W, Supplier Part Number 1=P47.0KHCT-ND, Temperature Coeffcient=100ppm/C, Tolerance=1%, Voltage=75V, Category=Resistor, ComponentLink1Description="SVN Datasheet", ComponentLink1URL=https://chn-vm-apps.microchip.com/mchprepo/parts/Datasheets/AOA0000CE2.pdf, ComponentLink2Description="Local Datasheet", ComponentLink2URL=C:\ALTIUM_WORK\00001_MCHP-CDB\Datasheets\AOA0000CE2.pdf, ComponentLink3Description="Open Symbol", ComponentLink3URL=C:\ALTIUM_WORK\00001_MCHP-CDB\Library\LibraryRefs\Resistor.SchLib, ComponentLink4Description="Open Footprint", ComponentLink4URL=C:\ALTIUM_WORK\00001_MCHP-CDB\Library\Footprints\RES_C_0603.PcbLib, ComponentLink5Description="Open Footprint 2", ComponentLink6Description="Open Footprint 3", ComponentLink7Description="Open Footprint 4", Composition=TKF, Description_="RES TKF 47k 1% 1/10W SMD 0603", Dev Tools Status=Production, MCHP-ID=RES1183, Owner="Adrian M (M91404)", Populated=YES, Quantity Override=1, Revision=0, Status="MCL Design", Supplier 1=Digi-Key, Symbol=Resistor, Type="RES SMD"
R13 R14 R15: library part RES2048, Manufacturer 1="Vishay Dale", Manufacturer Part Number 1=CRCW08052R20FKEA, Operating Temperature="-55C to +155C", Package=0805, Power=1/8W, Supplier Part Number 1=541-2.20CCCT-ND, Temperature Coeffcient=100ppm/C, Tolerance=1%, Voltage=150V, Category=Resistor, ComponentLink1Description="SVN Datasheet", ComponentLink1URL=https://chn-vm-apps.microchip.com/mchprepo/parts/Datasheets/dcrcwe3.pdf, ComponentLink2Description="Local Datasheet", ComponentLink2URL=C:\ALTIUM_WORK\00001_MCHP-CDB\Datasheets\dcrcwe3.pdf, ComponentLink3Description="Open Symbol", ComponentLink3URL=C:\ALTIUM_WORK\00001_MCHP-CDB\Library\LibraryRefs\Resistor.SchLib, ComponentLink4Description="Open Footprint", ComponentLink4URL=C:\ALTIUM_WORK\00001_MCHP-CDB\Library\Footprints\RES_C_0805.PcbLib, ComponentLink5Description="Open Footprint 2", ComponentLink6Description="Open Footprint 3", ComponentLink7Description="Open Footprint 4", Composition=TKF, Description_="RES TKF 2.2R 1% 1/8W SMD 0805 AEC-Q200", Dev Tools Status=Production, MCHP-ID=RES2048, Owner="Cristian Papuc", Populated=YES, Quantity Override=1, Revision=1, Status="MCL Design", Supplier 1=Digi-Key, Symbol=Resistor, Type="RES SMD"
R16 R75: library part RES2216, Manufacturer 1="Stackpole Electronics Inc", Manufacturer Part Number 1=RMCF0805FT3R30, Operating Temperature="-55°C - 155°C", Package=0805, Power=1/8W, Supplier Part Number 1=RMCF0805FT3R30CT-ND, Temperature Coeffcient=200ppm/C, Tolerance=1%, Category=Resistor, ComponentLink1Description="SVN Datasheet", ComponentLink1URL=https://chn-vm-apps.microchip.com/mchprepo/parts/Datasheets/SEI-RMCF_RMCP.pdf, ComponentLink2Description="Local Datasheet", ComponentLink2URL=C:\ALTIUM_WORK\00001_MCHP-CDB\Datasheets\SEI-RMCF_RMCP.pdf, ComponentLink3Description="Open Symbol", ComponentLink3URL=C:\ALTIUM_WORK\00001_MCHP-CDB\Library\LibraryRefs\Resistor.SchLib, ComponentLink4Description="Open Footprint", ComponentLink4URL=C:\ALTIUM_WORK\00001_MCHP-CDB\Library\Footprints\RES_C_0805.PcbLib, ComponentLink5Description="Open Footprint 2", ComponentLink6Description="Open Footprint 3", ComponentLink7Description="Open Footprint 4", Composition=TKF, Description_="RES TKF 3.3R 1% 1/8W SMD 0805 AEC-Q200", Dev Tools Status=Design, MCHP-ID=RES2216, Owner="Gabor Bihari", Populated=YES, Quantity Override=1, Revision=A, Status="MCL Design", Supplier 1=Digi-Key, Symbol=Resistor, Type="RES SMD"
R26 R27 R28: library part RES2677, Manufacturer 1="Stackpole Electronics Inc", Manufacturer Part Number 1=RMCF0805FT39K0, Operating Temperature="-55C to +155C", Package=0805, Power=1/8W, Supplier Part Number 1=RMCF0805FT39K0CT-ND, Temperature Coeffcient=100ppm/C, Tolerance=1%, Voltage=150V, Category=Resistor, ComponentLink1Description="SVN Datasheet", ComponentLink1URL=https://chn-vm-apps.microchip.com/mchprepo/parts/Datasheets/sei-rmcf_rmcp.pdf, ComponentLink2Description="Local Datasheet", ComponentLink2URL=C:\ALTIUM_WORK\00001_MCHP-CDB\Datasheets\sei-rmcf_rmcp.pdf, ComponentLink3Description="Open Symbol", ComponentLink3URL=C:\ALTIUM_WORK\00001_MCHP-CDB\Library\LibraryRefs\Resistor.SchLib, ComponentLink4Description="Open Footprint", ComponentLink4URL=C:\ALTIUM_WORK\00001_MCHP-CDB\Library\Footprints\RES_C_0805.PcbLib, ComponentLink5Description="Open Footprint 2", ComponentLink6Description="Open Footprint 3", ComponentLink7Description="Open Footprint 4", Composition=TKF, Description_="RES TKF 39k 1% 1/8W SMD 0805", Dev Tools Status=Design, MCHP-ID=RES2677, Owner="Octavian Stroe", Populated=YES, Quantity Override=1, Revision=1, Status="MCL Design", Supplier 1=Digi-Key, Symbol=Resistor, Type="RES SMD"